# Altium PCB Lay-51943_B.brd.PcbDoc (part 2 of 8)
Units mil, origin at the board's own origin, x right, y up, seen from the top; angles counter-clockwise.
Board outline 2903.05 x 2405.84 mil, 6 copper layers (TOP, L2_GND_1, L3_INT_1, L4_PWR, L5_GND_2, BOTTOM), stack 60.244 mil thick; 568 components, 400 nets, 2143 pads, 1138 vias.
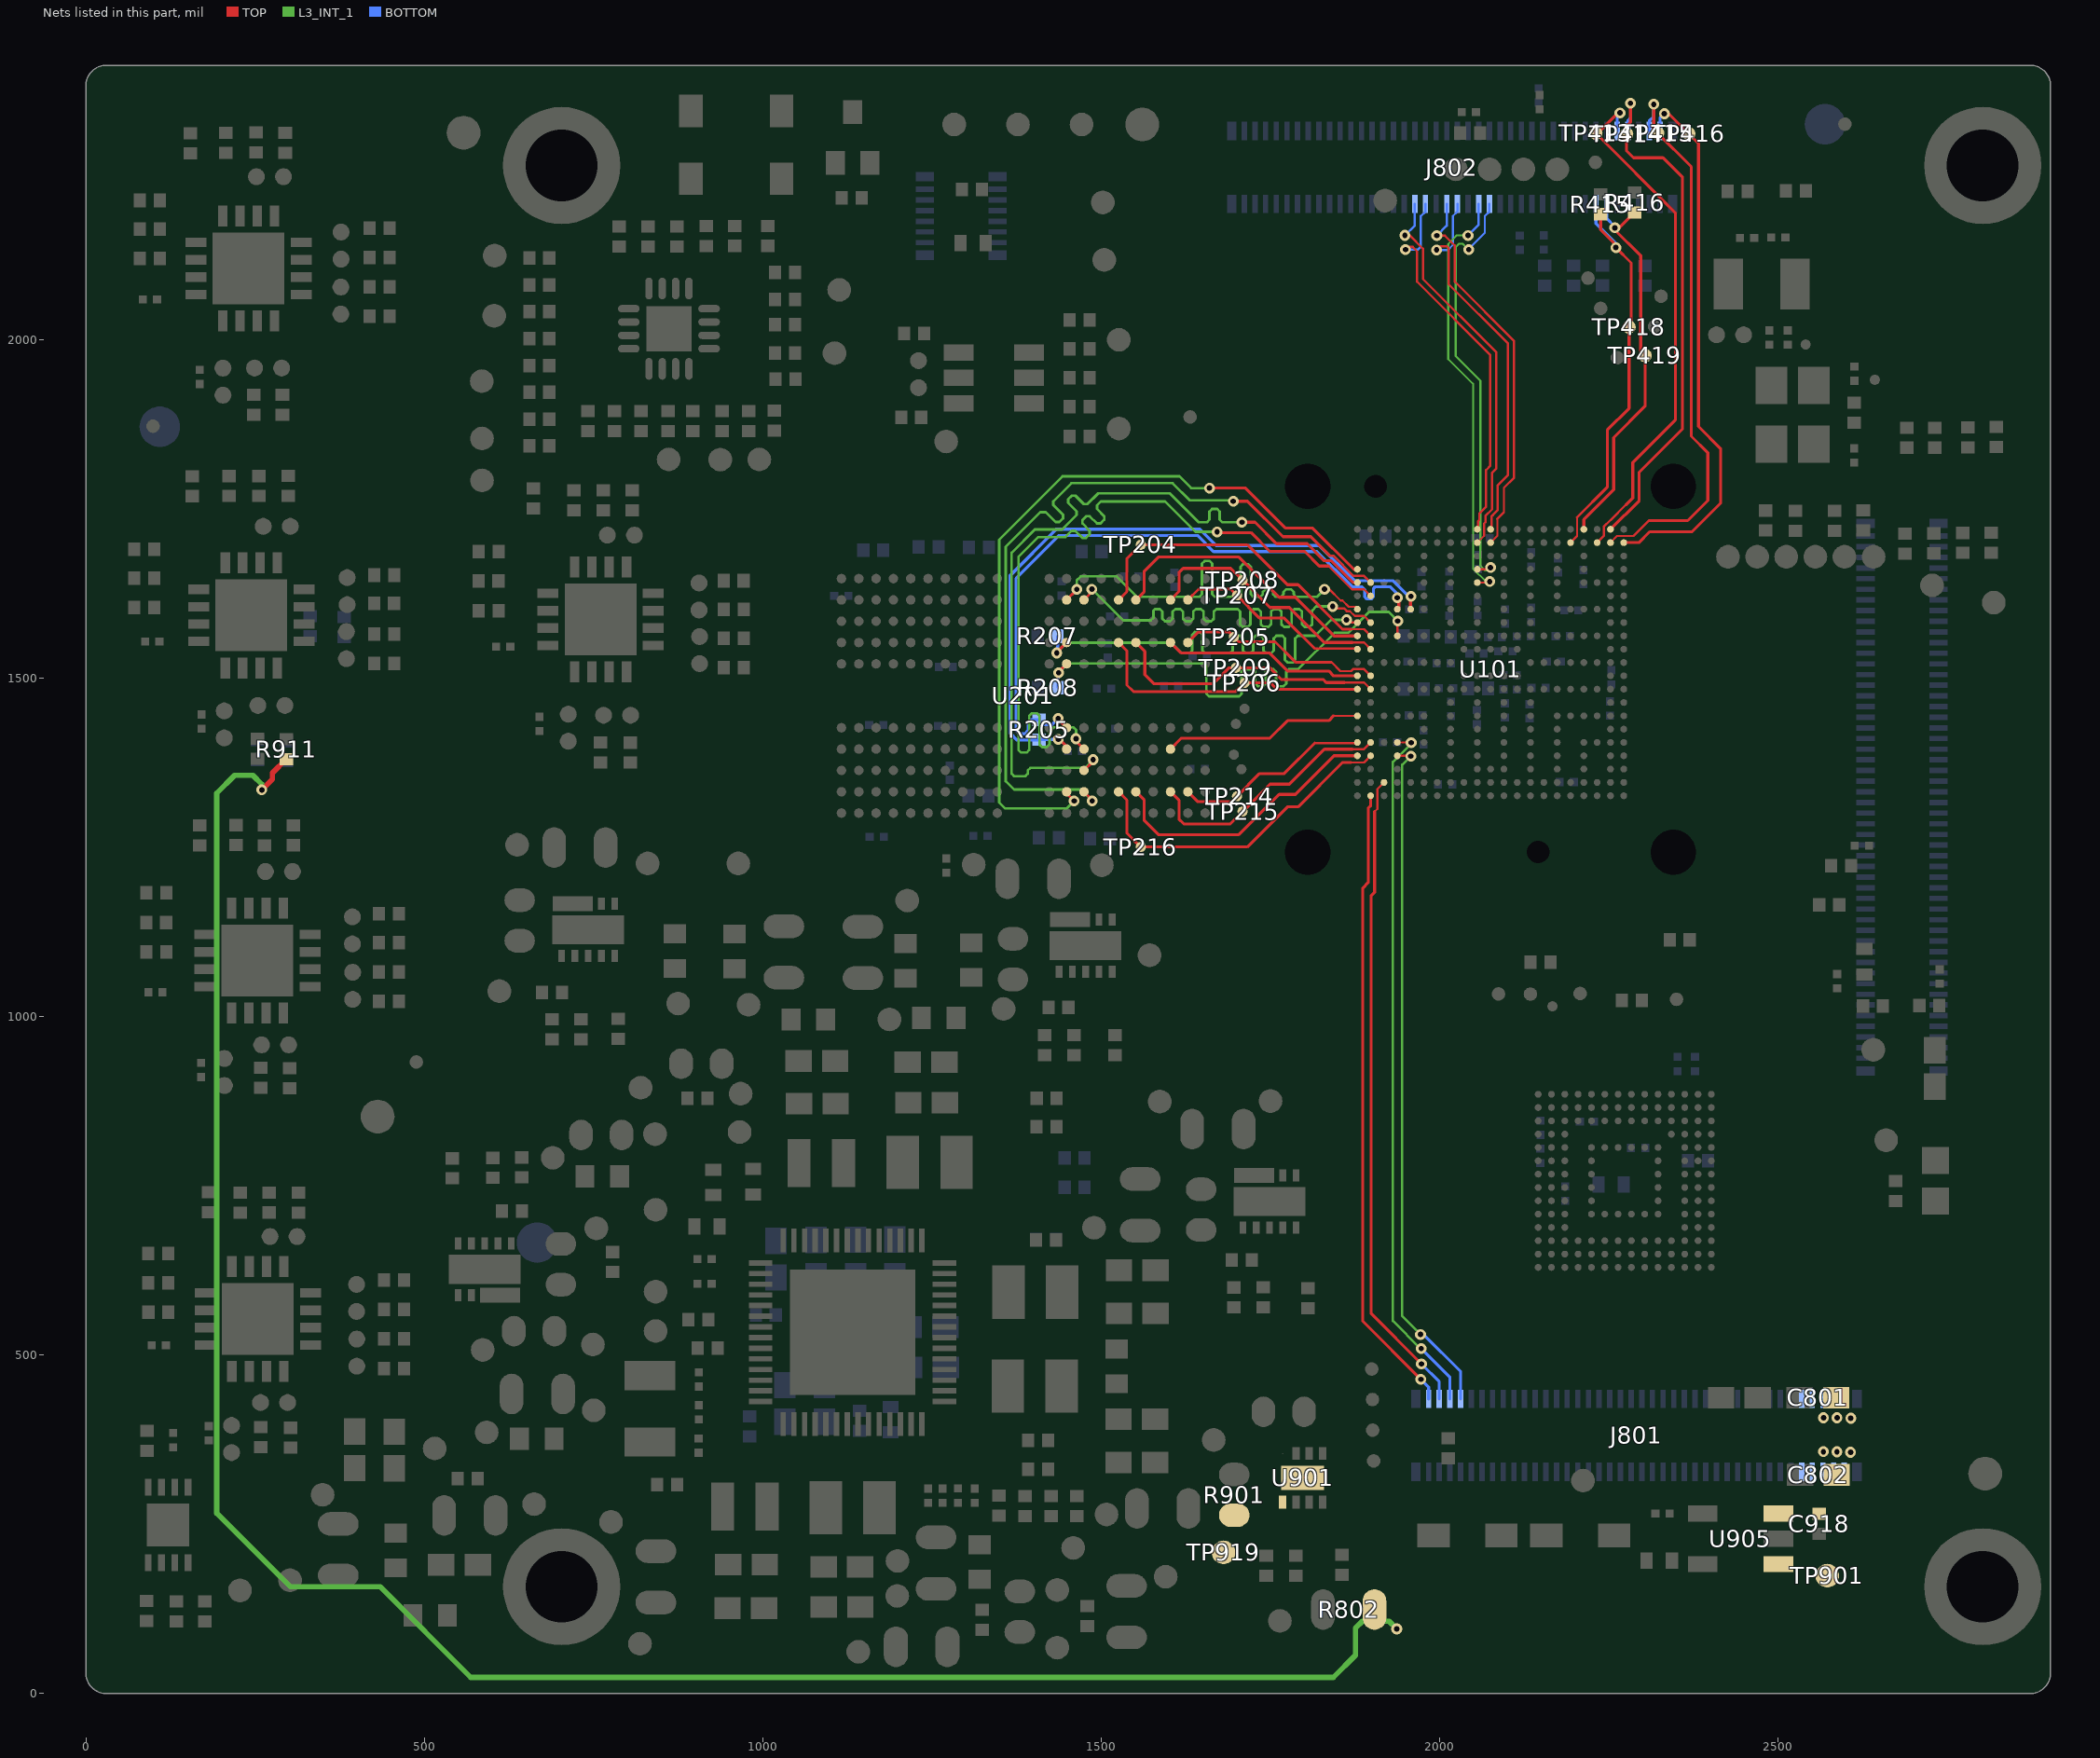
[diagram p6: the nets of this part, all layers, seen from the top]

## Footprints (in the part's own frame and the unit in brackets; to place one, negate y for a bottom-side part, rotate by r counter-clockwise, add the part's x,y. Pads: shape width x height; smd on the part's side, far side on the other; paste and mask are expansions set on the pad) (continued)
RC0402_25 [mil] "RC0402_25"
  round 25 smd: 1(-20,0) 2(20,0)
  TOP keep-out region: 5,4 5,-4 5,-6.07 2.07,-9 -2.07,-9 -5,-6.07 -5,-4 -5,-4 -5,4 -5,6.07 -2.07,9 2.07,9 5,6.07 5,4
  body extent -23,-11 23,11, height 16
RC0603_OV [mil] "RC0603_OV"
  oval 35x45 smd: 1(-30,0) 2(30,0)
  TOP keep-out region: -10,20 10,20 10,-20 -10,-20
  silkscreen extent -5,-5 5,5, body extent -33,-16 33,16, height 22
RC0805_OV [mil] "RC0805_OV"
  oval 35x60 smd: 1(-38,0) 2(38,0)
  TOP keep-out region: -20,25 20,25 20,-25 -20,-25
  silkscreen extent -10,-25 10,25, body extent -45,-27 45,27, height 30
SC70_3 [mil] "SC70_3"
  rect 28x35 smd: 1(-25.5,-37.47) 2(25.5,-37.47) 3(0,37.47)
  silkscreen extent -50,-34 50,34, body extent -41,-45 41,45, height 39
SKT_BGA306_0P5_SQ16P23_ELAST [mil] "SKT_BGA306_0P5_SQ16P23_ELAST"
  round 10 smd: A1(206.69,196.85) A2(206.69,177.17) A3(206.69,157.48) A4(206.69,137.8) A5(206.69,118.11) A6(206.69,98.43) A7(206.69,78.74) A8(206.69,59.06) A9(206.69,39.37) A10(206.69,19.69) A11(206.69,0) A12(206.69,-19.69) A13(206.69,-39.37) A14(206.69,-59.06) A15(206.69,-78.74) A16(206.69,-98.43) A17(206.69,-118.11) A18(206.69,-137.8) A19(206.69,-157.48) A20(206.69,-177.17) A21(206.69,-196.85) AA1(-187.01,196.85) AA2(-187.01,177.17) AA3(-187.01,157.48) AA4(-187.01,137.8) AA5(-187.01,118.11) AA6(-187.01,98.43) AA7(-187.01,78.74) AA8(-187.01,59.06) AA9(-187.01,39.37) AA10(-187.01,19.69) AA11(-187.01,0) AA12(-187.01,-19.69) AA13(-187.01,-39.37) AA14(-187.01,-59.06) AA15(-187.01,-78.74) AA16(-187.01,-98.43) AA17(-187.01,-118.11) AA18(-187.01,-137.8) AA19(-187.01,-157.48) AA20(-187.01,-177.17) AA21(-187.01,-196.85) B1(187.01,196.85) B2(187.01,177.17) B3(187.01,157.48) B4(187.01,137.8) B5(187.01,118.11) B6(187.01,98.43) B7(187.01,78.74) B8(187.01,59.06) B9(187.01,39.37) B10(187.01,19.69) B11(187.01,0) B12(187.01,-19.69) B13(187.01,-39.37) B14(187.01,-59.06) B15(187.01,-78.74) B16(187.01,-98.43) B17(187.01,-118.11) B18(187.01,-137.8) B19(187.01,-157.48) B20(187.01,-177.17) B21(187.01,-196.85) C1(167.32,196.85) C2(167.32,177.17) C4(167.32,137.8) C6(167.32,98.43) C8(167.32,59.06) C10(167.32,19.69) C11(167.32,0) C12(167.32,-19.69) C14(167.32,-59.06) C16(167.32,-98.43) C18(167.32,-137.8) C20(167.32,-177.17) C21(167.32,-196.85) D1(147.64,196.85) D2(147.64,177.17) D4(147.64,137.8) D6(147.64,98.43) D8(147.64,59.06) D10(147.64,19.69) D12(147.64,-19.69) D14(147.64,-59.06) D16(147.64,-98.43) D18(147.64,-137.8) D20(147.64,-177.17) D21(147.64,-196.85) E1(127.95,196.85) E2(127.95,177.17) E3(127.95,157.48) E4(127.95,137.8) E6(127.95,98.43) E8(127.95,59.06) E10(127.95,19.69) E12(127.95,-19.69) E14(127.95,-59.06) E16(127.95,-98.43) E18(127.95,-137.8) E19(127.95,-157.48) E20(127.95,-177.17) E21(127.95,-196.85) F1(108.27,196.85) F2(108.27,177.17) F6(108.27,98.43) F8(108.27,59.06) F10(108.27,19.69) F12(108.27,-19.69) F14(108.27,-59.06) F16(108.27,-98.43) F20(108.27,-177.17) F21(108.27,-196.85) G1(88.58,196.85) G2(88.58,177.17) G3(88.58,157.48) G4(88.58,137.8) G5(88.58,118.11) G6(88.58,98.43) G8(88.58,59.06) G10(88.58,19.69) G12(88.58,-19.69) G14(88.58,-59.06) G16(88.58,-98.43) G17(88.58,-118.11) G18(88.58,-137.8) G19(88.58,-157.48) G20(88.58,-177.17) G21(88.58,-196.85) H1(68.9,196.85) H2(68.9,177.17) H8(68.9,59.06) H10(68.9,19.69) H12(68.9,-19.69) H14(68.9,-59.06) H20(68.9,-177.17) H21(68.9,-196.85) J1(49.21,196.85) J2(49.21,177.17) J3(49.21,157.48) J4(49.21,137.8) J5(49.21,118.11) J6(49.21,98.43) J7(49.21,78.74) J8(49.21,59.06) J9(49.21,39.37) J10(49.21,19.69) J11(49.21,0) J12(49.21,-19.69) J13(49.21,-39.37) J14(49.21,-59.06) J15(49.21,-78.74) J16(49.21,-98.43) J17(49.21,-118.11) J18(49.21,-137.8) J19(49.21,-157.48) J20(49.21,-177.17) J21(49.21,-196.85) K1(29.53,196.85) K2(29.53,177.17) K9(29.53,39.37) K10(29.53,19.69) K11(29.53,0) K12(29.53,-19.69) K13(29.53,-39.37) K20(29.53,-177.17) K21(29.53,-196.85) L1(9.84,196.85) L2(9.84,177.17) L3(9.84,157.48) L4(9.84,137.8) L5(9.84,118.11) L6(9.84,98.43) L7(9.84,78.74) L8(9.84,59.06) L14(9.84,-59.06) L15(9.84,-78.74) L16(9.84,-98.43) L17(9.84,-118.11) L18(9.84,-137.8) L19(9.84,-157.48) L20(9.84,-177.17) L21(9.84,-196.85) M1(-9.84,196.85) M2(-9.84,177.17) M9(-9.84,39.37) M10(-9.84,19.69) M11(-9.84,0) M12(-9.84,-19.69) M13(-9.84,-39.37) M20(-9.84,-177.17) M21(-9.84,-196.85) N1(-29.53,196.85) N2(-29.53,177.17) N3(-29.53,157.48) N4(-29.53,137.8) N5(-29.53,118.11) N6(-29.53,98.43) N7(-29.53,78.74) N8(-29.53,59.06) N9(-29.53,39.37) N10(-29.53,19.69) N11(-29.53,0) N12(-29.53,-19.69) N13(-29.53,-39.37) N14(-29.53,-59.06) N15(-29.53,-78.74) N16(-29.53,-98.43) N17(-29.53,-118.11) N18(-29.53,-137.8) N19(-29.53,-157.48) N20(-29.53,-177.17) N21(-29.53,-196.85) P1(-49.21,196.85) P2(-49.21,177.17) P8(-49.21,59.06) P10(-49.21,19.69) P12(-49.21,-19.69) P14(-49.21,-59.06) P20(-49.21,-177.17) P21(-49.21,-196.85) R1(-68.9,196.85) R2(-68.9,177.17) R3(-68.9,157.48) R4(-68.9,137.8) R5(-68.9,118.11) R6(-68.9,98.43) R8(-68.9,59.06) R10(-68.9,19.69) R12(-68.9,-19.69) R14(-68.9,-59.06) R16(-68.9,-98.43) R17(-68.9,-118.11) R18(-68.9,-137.8) R19(-68.9,-157.48) R20(-68.9,-177.17) R21(-68.9,-196.85) T1(-88.58,196.85) T2(-88.58,177.17) T6(-88.58,98.43) T8(-88.58,59.06) T10(-88.58,19.69) T12(-88.58,-19.69) T14(-88.58,-59.06) T16(-88.58,-98.43) T20(-88.58,-177.17) T21(-88.58,-196.85) U1(-108.27,196.85) U2(-108.27,177.17) U3(-108.27,157.48) U4(-108.27,137.8) U6(-108.27,98.43) U8(-108.27,59.06) U10(-108.27,19.69) U12(-108.27,-19.69) U14(-108.27,-59.06) U16(-108.27,-98.43) U18(-108.27,-137.8) U19(-108.27,-157.48) U20(-108.27,-177.17) U21(-108.27,-196.85) V1(-127.95,196.85) V2(-127.95,177.17) V4(-127.95,137.8) V6(-127.95,98.43) V8(-127.95,59.06) V10(-127.95,19.69) V12(-127.95,-19.69) V14(-127.95,-59.06) V16(-127.95,-98.43) V18(-127.95,-137.8) V20(-127.95,-177.17) V21(-127.95,-196.85) W1(-147.64,196.85) W2(-147.64,177.17) W4(-147.64,137.8) W6(-147.64,98.43) W8(-147.64,59.06) W10(-147.64,19.69) W11(-147.64,0) W12(-147.64,-19.69) W14(-147.64,-59.06) W16(-147.64,-98.43) W18(-147.64,-137.8) W20(-147.64,-177.17) W21(-147.64,-196.85) Y1(-167.32,196.85) Y2(-167.32,177.17) Y3(-167.32,157.48) Y4(-167.32,137.8) Y5(-167.32,118.11) Y6(-167.32,98.43) Y7(-167.32,78.74) Y8(-167.32,59.06) Y9(-167.32,39.37) Y10(-167.32,19.69) Y11(-167.32,0) Y12(-167.32,-19.69) Y13(-167.32,-39.37) Y14(-167.32,-59.06) Y15(-167.32,-78.74) Y16(-167.32,-98.43) Y17(-167.32,-118.11) Y18(-167.32,-137.8) Y19(-167.32,-157.48) Y20(-167.32,-177.17) Y21(-167.32,-196.85)
  round 0 hole 66.9 unplated: ""(-270.18,-270.2) ""(-270.18,270.2) ""(270.18,-270.2) ""(270.18,270.2)
  round 0 hole 33.4 unplated: ""(-270.18,-70.18) ""(270.18,170.18)
  BOTTOM keep-out region: -270.18,236.44 -261.44,237.59 -253.3,240.96 -246.31,246.33 -240.94,253.32 -237.57,261.46 -236.42,270.2 -237.57,278.93 -240.94,287.07 -240.94,287.07 -246.31,294.07 -253.3,299.43 -261.44,302.8 -270.18,303.95 -278.91,302.8 -287.06,299.43 -294.05,294.07 -299.41,287.07 -299.41,287.07 -302.78,278.93 -303.93,270.2 -302.78,261.46 -299.41,253.32 -294.05,246.33 -287.06,240.96 -278.91,237.59 -270.18,236.44
  BOTTOM keep-out region: -270.18,202.95 -257.06,204.24 -244.44,208.07 -232.81,214.28 -222.62,222.64 -214.26,232.83 -208.05,244.46 -204.22,257.08 -202.93,270.2 -204.22,283.32 -208.05,295.93 -212.19,303.68 -212.19,303.68 -214.26,307.56 -222.62,317.75 -232.81,326.11 -244.44,332.33 -257.06,336.16 -270.18,337.45 -283.3,336.16 -295.91,332.33 -307.54,326.11 -317.73,317.75 -326.09,307.56 -328.17,303.68 -328.17,303.68 -332.31,295.93 -336.14,283.32 -337.43,270.2 -336.14,257.08 -332.31,244.46 -326.09,232.83 -317.73,222.64 -307.54,214.28 -295.91,208.07 -283.3,204.24 -270.18,202.95
  BOTTOM keep-out region: 270.18,202.94 283.3,204.23 295.92,208.06 307.55,214.27 317.74,222.64 326.1,232.83 332.32,244.46 336.15,257.07 337.44,270.2 336.15,283.32 332.32,295.94 328.18,303.68 328.18,303.68 326.1,307.56 317.74,317.76 307.55,326.12 295.92,332.34 283.3,336.17 270.18,337.46 257.06,336.17 244.44,332.34 232.81,326.12 222.62,317.76 214.25,307.56 212.18,303.68 212.18,303.68 208.04,295.94 204.21,283.32 202.92,270.2 204.21,257.07 208.04,244.46 214.25,232.83 222.62,222.64 232.81,214.27 244.44,208.06 257.06,204.23 270.18,202.94
  BOTTOM keep-out region: 270.18,236.44 278.91,237.59 287.06,240.96 294.05,246.33 299.41,253.32 302.78,261.46 303.93,270.2 302.78,278.93 299.41,287.07 299.41,287.07 294.05,294.07 287.06,299.43 278.91,302.8 270.18,303.95 261.44,302.8 253.3,299.43 246.31,294.07 240.94,287.07 240.94,287.07 237.57,278.93 236.42,270.2 237.57,261.46 240.94,253.32 246.31,246.33 253.3,240.96 261.44,237.59 270.18,236.44
  BOTTOM keep-out region: 270.18,-337.45 283.3,-336.16 295.92,-332.33 307.54,-326.12 317.74,-317.75 326.1,-307.56 332.31,-295.93 336.14,-283.32 337.43,-270.2 336.14,-257.08 332.31,-244.46 328.17,-236.71 328.17,-236.71 326.1,-232.83 317.74,-222.64 307.54,-214.27 295.92,-208.06 283.3,-204.23 270.18,-202.94 257.06,-204.23 244.44,-208.06 232.81,-214.27 222.62,-222.64 214.25,-232.83 212.18,-236.71 212.18,-236.71 208.04,-244.46 204.21,-257.08 202.92,-270.2 204.21,-283.32 208.04,-295.93 214.25,-307.56 222.62,-317.75 232.81,-326.12 244.44,-332.33 257.06,-336.16 270.18,-337.45
  BOTTOM keep-out region: 270.18,-303.95 278.91,-302.8 287.05,-299.43 294.04,-294.06 299.41,-287.07 302.78,-278.93 303.93,-270.2 302.78,-261.46 299.41,-253.32 299.41,-253.32 294.04,-246.33 287.05,-240.97 278.91,-237.59 270.18,-236.44 261.44,-237.59 253.3,-240.97 246.31,-246.33 240.95,-253.32 240.95,-253.32 237.58,-261.46 236.43,-270.2 237.58,-278.93 240.95,-287.07 246.31,-294.06 253.3,-299.43 261.44,-302.8 270.18,-303.95
  BOTTOM keep-out region: -270.18,-337.44 -257.06,-336.15 -244.44,-332.32 -232.82,-326.11 -222.63,-317.75 -214.26,-307.56 -208.05,-295.93 -204.22,-283.32 -202.93,-270.2 -204.22,-257.08 -208.05,-244.46 -212.19,-236.72 -212.19,-236.72 -214.26,-232.84 -222.63,-222.65 -232.82,-214.28 -244.44,-208.07 -257.06,-204.24 -270.18,-202.95 -283.3,-204.24 -295.91,-208.07 -307.54,-214.28 -317.73,-222.65 -326.09,-232.84 -328.17,-236.72 -328.17,-236.72 -332.31,-244.46 -336.13,-257.08 -337.42,-270.2 -336.13,-283.32 -332.31,-295.93 -326.09,-307.56 -317.73,-317.75 -307.54,-326.11 -295.91,-332.32 -283.3,-336.15 -270.18,-337.44
  BOTTOM keep-out region: -270.18,-303.95 -261.44,-302.8 -253.3,-299.43 -246.31,-294.06 -240.95,-287.07 -237.58,-278.93 -236.43,-270.2 -237.58,-261.46 -240.95,-253.32 -240.95,-253.32 -246.31,-246.33 -253.3,-240.97 -261.44,-237.59 -270.18,-236.44 -278.91,-237.59 -287.05,-240.97 -294.04,-246.33 -299.41,-253.32 -299.41,-253.32 -302.78,-261.46 -303.93,-270.2 -302.78,-278.93 -299.41,-287.07 -294.04,-294.06 -287.05,-299.43 -278.91,-302.8 -270.18,-303.95
  BOTTOM keep-out region: -270.18,-87.24 -263.65,-85.94 -258.11,-82.24 -254.42,-76.71 -253.12,-70.18 -254.42,-63.65 -255.66,-61.79 -255.66,-61.79 -258.11,-58.11 -263.65,-54.42 -270.18,-53.12 -276.71,-54.42 -282.24,-58.11 -284.7,-61.79 -284.7,-61.79 -285.94,-63.65 -287.24,-70.18 -285.94,-76.71 -282.24,-82.24 -276.71,-85.94 -270.18,-87.24
  BOTTOM keep-out region: 270.18,153.11 276.71,154.41 282.24,158.11 285.94,163.65 287.24,170.18 285.94,176.71 284.7,178.56 284.7,178.56 282.24,182.24 276.71,185.94 270.18,187.24 263.65,185.94 258.11,182.24 255.65,178.56 255.65,178.56 254.41,176.71 253.11,170.18 254.41,163.65 258.11,158.11 263.65,154.41 270.18,153.11
  Keep-Out Layer region: 270.18,-319.08 282.83,-317.41 294.62,-312.53 304.74,-304.76 312.51,-294.64 317.39,-282.85 319.06,-270.2 317.39,-257.55 312.51,-245.76 312.51,-245.76 304.74,-235.63 294.62,-227.86 282.83,-222.98 270.18,-221.32 257.53,-222.98 245.74,-227.86 235.61,-235.63 227.84,-245.76 227.84,-245.76 222.96,-257.55 221.3,-270.2 222.96,-282.85 227.84,-294.64 235.61,-304.76 245.74,-312.53 257.53,-317.41 270.18,-319.08
  Keep-Out Layer region: -270.18,-319.08 -257.53,-317.41 -245.74,-312.53 -235.61,-304.76 -227.84,-294.64 -222.96,-282.85 -221.3,-270.2 -222.96,-257.55 -227.84,-245.76 -227.84,-245.76 -235.61,-235.63 -245.74,-227.86 -257.53,-222.98 -270.18,-221.32 -282.83,-222.98 -294.62,-227.86 -304.74,-235.63 -312.51,-245.76 -312.51,-245.76 -317.39,-257.55 -319.06,-270.2 -317.39,-282.85 -312.51,-294.64 -304.74,-304.76 -294.62,-312.53 -282.83,-317.41 -270.18,-319.08
  Keep-Out Layer region: -270.18,-102.18 -261.89,-101.09 -254.17,-97.9 -247.55,-92.81 -242.46,-86.18 -239.26,-78.46 -238.17,-70.18 -239.26,-61.89 -242.46,-54.17 -242.46,-54.17 -247.55,-47.55 -254.17,-42.46 -261.89,-39.26 -270.18,-38.17 -278.46,-39.26 -286.18,-42.46 -292.81,-47.55 -297.9,-54.17 -297.9,-54.17 -301.09,-61.89 -302.18,-70.18 -301.09,-78.46 -297.9,-86.18 -292.81,-92.81 -286.18,-97.9 -278.46,-101.09 -270.18,-102.18
  Keep-Out Layer region: -270.18,221.31 -257.52,222.98 -245.73,227.86 -235.61,235.63 -227.84,245.75 -222.96,257.54 -221.29,270.2 -222.96,282.85 -227.84,294.64 -227.84,294.64 -235.61,304.76 -245.73,312.53 -257.52,317.42 -270.18,319.08 -282.83,317.42 -294.62,312.53 -304.74,304.76 -312.51,294.64 -312.51,294.64 -317.4,282.85 -319.06,270.2 -317.4,257.54 -312.51,245.75 -304.74,235.63 -294.62,227.86 -282.83,222.98 -270.18,221.31
  Keep-Out Layer region: 295,228.57 300.45,231.82 309.31,240.91 315.53,251.97 318.69,264.26 318.59,276.95 315.21,289.19 308.81,300.14 299.79,309.08 288.78,315.4 276.52,318.66 263.83,318.66 251.57,315.4 240.56,309.08 231.54,300.14 225.14,289.19 221.76,276.95 221.66,264.26 224.82,251.97 231.04,240.91 239.9,231.82 245.35,228.57 245.35,228.57
  Keep-Out Layer region: 291.31,146.5 294.02,148.92 298.21,154.85 300.94,161.58 302.09,168.75 301.59,176 299.46,182.94 295.82,189.23 290.86,194.53 287.84,196.55 287.84,196.55 252.52,196.55 248.67,193.97 242.77,186.84 239.16,178.32 238.12,169.13 238.94,164.57 238.94,164.57 257.01,146.5
  silkscreen extent -329,-329 329,329, body extent -207,-217 226,217, height 48
SOD323 [mil] "SOD323"
  rect 35x48 smd: A(0,50) C(0,-50)
  silkscreen extent -34,-46 103,44, body extent -27,-51 27,51, height 43
SOT23-5 [mil] "SOT23-5"
  rect 24x44 smd: 1(-37.4,-56.1) 2(0,-56.1) 3(37.4,-56.1) 4(37.4,56.1) 5(-37.4,56.1)
  silkscreen extent -69,-41 69,41, body extent -59,-55 59,55, height 46
SOT23-6 [mil] "SOT23-6"
  rect 24x44 smd: 1(-37.4,-52) 2(0,-52) 3(37.4,-52) 4(37.4,52) 5(0,52) 6(-37.4,52)
  silkscreen extent -67,-41 67,41, body extent -59,-59 59,59, height 51
TESTPOINT_35MIL [mil] "TESTPOINT_35MIL"
  round 35 smd paste-99999: 1(0,0)
  body extent -18,-18 18,18, height 150
TPAD_015 [mil] "TPAD_015"
  round 15 smd paste-99999: 1(0,0)
TPAD_020 [mil] "TPAD_020"
  round 20 smd paste-99999: 1(0,0)
  silkscreen extent -17,-17 17,17, body extent -13,-13 13,13, height 150
TPAD_050 [mil] "TPAD_050"
  round 50 smd paste-99999: 1(0,0)
WSON10_0P5_2P1X3P1 [mil] "WSON10_0P5_2P1X3P1"
  rect 18x10 smd: 1(-39.39,39.37) 2(-39.39,19.69) 3(-39.39,0) 4(-39.39,-19.69) 5(-39.39,-39.37) 6(37.39,-39.37) 7(37.39,-19.69)
  rect 22x59 smd paste-99999 mask+4: 10(37.39,22.83)
  rect 43x106 smd paste-99999 mask+4: 11(-1,0)
  silkscreen extent -49,-68 47,68, body extent -39,-59 39,59, height 31
XTAL2-3P2X1P5-SM [mil] "XTAL2-3P2X1P5-SM"
  rect 43x75 smd: 1(-49.21,0.02) 2(49.21,0.02)
  silkscreen extent -82,-48 82,48, body extent -63,-30 63,30, height 35
XTLOSC4_3P2X2P5MM_SM [mil] "XTLOSC4_3P2X2P5MM_SM"
  rect 55x47 smd: 1(-43.29,-31.5) 2(43.33,-31.5) 3(43.33,31.5) 4(-43.29,31.5)
  silkscreen extent -78,-62 78,62, body extent -63,-49 63,49, height 28

## Part data
BH801 BH802 BH803 BH804: library part MOUNT_HOLE, "MOUNTING HOLE PLATED DRILL 2.7MM KEEPOUT R2.9MM TH, NO PART TO ORDER", AGILE_PN=280-76791, CAD_APPROVED=Yes, CLASS=IC, Height=0.1MM, MFG_NAME01=NOTACOMPONENT, MFG_PN01=NOTACOMPONENT, PCB Footprint=mh188-106t, RoHS=Yes
C101 C106 C107 C109 C110 C111 C114 C116 C117 C118 C119 C129 C130 C131 C132 C134 C135 C137 C138 C139 C140 C141 C144 C145 C146 C147 C148 C149 C152 C153 C154 C155 C156 C203 C204 C205 C208 C209 C210 C211 C212 C213 C214 C216 C217 C218 C219 C220 C221 C222 C509 C727 C728 C804 C806 C808 C809: library part CAP_NP, "CAP CER 1.0uF 10V 10% X5R 0201", Package Size="0201 (0603 Metric)", Package Type=SMD/SMT, Temp Range="-55¡ãC to 85¡ãC", Tolerance=10%, Voltage=10V, AGILE_PN=150-81088, CAD_APPROVED=Yes, CLASS=DISCRETE, FPLIST=CC0201,CC0201_HD,0201_CC,cc_0201_cir, Height=0.35MM, MFG_NAME01="SAMSUNG ELECTRO MECHANICS", MFG_PN01=CL03A105KP3NSNC, PCB Footprint=0201_CC, RoHS=Yes
C102 C502 C503 C505 C506 C507 C508 C919 C944: library part CAP_NP, "CAP CER 0.22UF 10V 20% X5R 0201", Tolerance=20%, Voltage=10V, AGILE_PN=150-78815, CAD_APPROVED=Yes, CLASS=DISCRETE, Height=0.33MM, MFG_NAME01="Taiyo Yuden", MFG_PN01=LMK063BJ224MP-F, PCB Footprint=0201_CC, RoHS=Yes
  C102 C502 C503 C505 C506 C507 C508 C919: FPLIST=CC0201,CC0201_HD,0201_CC
  C944: FPLIST=CC0201,CC0201_HD,0201_CC,0201_CC_012SM_NSP
C108 C124 C136 C151 C201 C202 C206 C207 C215 C504: library part CAP_NP, "CAP CER 10UF 6.3V 20% X5R 0402", Tolerance=20%, Voltage=6.3V, AGILE_PN=150-79163, CAD_APPROVED=Yes, CLASS=DISCRETE, FPLIST=CC0402_25,CC0402_HD,0402_CC, Height="0.65 MM", MFG_NAME01="SAMSUNG ELECTRO MECHANICS", MFG_PN01=CL05A106MQ5NUNC, PCB Footprint=0402_CC, RoHS=Yes
C142 C143 C703 C705 C707 C708 C710 C711 C714 C715 C719 C720 C722 C723 C803 C805: library part CAP_NP, "CAP CER 22uF 10V 20% X5R 0603", Package Size=0603, Tolerance=20%, Voltage=10V, AGILE_PN=150-79530, CAD_APPROVED=Yes, CLASS=DISCRETE, FPLIST=CC0603_OV,CC0603,0603_cc_tol, Height=1MM, MFG_NAME01=TDK, MFG_PN01=C1608X5R1A226M080AC, PCB Footprint=CC0603, RoHS=Yes, SIGNAL_MODEL=DEFAULT_CAPACITOR_2.2e+07pF_2_1, WVDC=6.3V
  C705 C708 C711 C720 C723: ASSY_OPT=DNP
C401 C402 C716 C717: library part CAP_NP, "CAP CER 18pF 50V 5% C0G 0201", Package Size=0201, Package Type="&#966;180mm Paper taping", Tolerance=5%, Voltage=50V, AGILE_PN=150-79476, CAD_APPROVED=Yes, CLASS=DISCRETE, FPLIST=CC0201,CC0201_HD,0201_CC, Height=0.33MM, MFG_NAME01=MURATA, MFG_PN01=GRM0335C1H180JA01D, PCB Footprint=0201_CC, RoHS=Yes
C403 C404: library part CAP_NP, "CAP CER 12PF 25V 5% C0G AEC-Q200 0201", Tolerance=5%, Voltage=25V, AGILE_PN=150-79813, CAD_APPROVED=Yes, CLASS=DISCRETE, FPLIST=CC0201,CC0201_HD,0201_CC, Height=0.33MM, MFG_NAME01=TDK, MFG_PN01=CGA1A2C0G1E120J030BA, PCB Footprint=0201_CC, RoHS=Yes
C405 C904 C906 C912 C913 C916 C923 C926 C929 C931 C935 C937 C942 C947: library part CAP_NP, "CAP CER 0.1UF 25V 10% X5R 0402", Package Size=0402, Tolerance=10%, Voltage=25V, AGILE_PN=150-78633, CAD_APPROVED=Yes, CLASS=DISCRETE, FPLIST=CC0402_25,CC0402_HD,0402_CC, Height=0.55MM, MFG_NAME01="YAGEO AMERICA", MFG_PN01=CC0402KRX5R8BB104, PCB Footprint=0402_CC, RoHS=Yes
  C405: ASSY_OPT=DNP
C501 C725 C729 C730 C731 C807 C914: library part CAP_NP, "CAP CER 4.7uF 10V 10% X5R 0402", Tolerance=10%, Voltage=10V, 3D_Mechanical_Footprint_File=cc0402_tol0p15, AGILE_PN=150-80044, CAD_APPROVED=Yes, CLASS=DISCRETE, FPLIST=cc0402_tol0p15,cc0402_tol0p15_ov,0402_cc_nsp, Height=0.65MM, MFG_NAME01="SAMSUNG ELECTRO MECHANICS", MFG_PN01=CL05A475KP5NRNC, PCB Footprint=cc0402_tol0p15, RoHS=Yes
C701 C702 C709 C712 C713 C718 C721 C726 C801 C802: library part CAP_NP, "CAP CER 10.0uF 16V 10% X5R 0603", Package Size=0603, Package Type=SMT, Temp Range="-55¡ãC to +85¡ãC", Tolerance=10%, Voltage=16V, AGILE_PN=150-80060, CAD_APPROVED=Yes, CLASS=DISCRETE, FPLIST=CC0603_OV,CC0603,0603_CC,cc0603_0805_nsp, Height=0.9MM, MFG_NAME01=MURATA, MFG_PN01=GRM188R61C106KAALD, PCB Footprint=CC0603, RoHS=Yes, Temp_Range="-55¡ãC to +85¡ãC"
C704 C706 C724 C918: library part CAP_NP, "CAP CER 1uF 16V 10% X5R 0402", Tolerance=10%, Voltage=16V, AGILE_PN=150-78973, CAD_APPROVED=Yes, CLASS=DISCRETE, Height="0.55 MM", MFG_NAME01=YAGEO, MFG_PN01=CC0402KRX5R7BB105, PCB Footprint=0402_CC, RoHS=Yes
  C704 C706 C724: FPLIST=CC0402_25,CC0402_HD,0402_CC,capc0402_l
  C918: FPLIST=CC0402_25,CC0402_HD,0402_CC
C901 C903 C909 C911 C922 C925 C928 C930 C934 C938 C943 C946: library part CAP_NP, "CAP CER 1.0UF 10V 10% X5R 0402", Package Size=0402, Voltage=10V, AGILE_PN=150-75772, CAD_APPROVED=Yes, CLASS=DISCRETE, FPLIST=CC0402_25,CC0402_HD,0402_CC, Height=0.6MM, MFG_NAME01="YAGEO AMERICA", MFG_PN01=CC0402KRX5R6BB105, PCB Footprint=0402_CC, RoHS=Yes, SIGNAL_MODEL=DEFAULT_CAPACITOR_1e+06pF_2_1, TOL=10%, Voltage Rating=10V
C902 C905 C907 C908 C910 C917 C920 C921 C924 C927 C932 C933 C936 C939 C940 C941 C945 C948 C949 C950: library part CAP_NP, "CAP CER 0.01uF 25V 5% X7R 0402", Package Size="0402 (1005 Metric)", Package Type="Surface Mount, MLCC", Rated Voltage=25V, Temp Range="-55¡ãC - 125¡ãC", Tolerance=5%, AGILE_PN=150-81047, ASSY_OPT=DNP, CAD_APPROVED=Yes, CLASS=DISCRETE, FPLIST=CC0402_25,CC0402_HD,0402_CC,capc0402_l, Height="0.55 MM", MFG_NAME01="YAGEO Corporation", MFG_PN01=CC0402JRX7R8BB103, PCB Footprint=CC0402_25, RoHS=Yes
C915: library part CAP_NP, "CAP CER 4.7uF 10V 10% X5R 0402", Tolerance=10%, Voltage=10V, Voltage Rating=6.3V, 3D_Mechanical_Footprint_File=cc0402_tol0p15, AGILE_PN=150-80044, CAD_APPROVED=Yes, CLASS=DISCRETE, FPLIST=cc0402_tol0p15,cc0402_tol0p15_ov,0402_cc_nsp, Height=0.65MM, MFG_NAME01="SAMSUNG ELECTRO MECHANICS", MFG_PN01=CL05A475KP5NRNC, PCB Footprint=cc0402_tol0p15, RoHS=Yes
C951 C952 C953 C954: library part CAP_NP, "CAP CER 220PF 50V 5% C0G 0402", Package Size=0402, Rated Voltage=50V, Temp Range="-55C to +125C", Tolerance=5%, AGILE_PN=150-30297, ASSY_OPT=DNP, CAD_APPROVED=Yes, CLASS=DISCRETE, FPLIST=CC0402_25,CC0402_HD,0402_CC,capc0402_l, Height=0.55MM, MFG_NAME01=KEMET, MFG_PN01=C0402C221J5GAC, PCB Footprint=0402_CC, RoHS=Yes
D601: library part LED, "LED GRN SGL 25MA SMT 0603", Voltage=2V, AGILE_PN=370-76672, CAD_APPROVED=Yes, CLASS=IC, Height="0.8 MM", MFG_NAME01=DIALIGHT, MFG_PN01=598-8070-107F, PCB Footprint=LED_0603, RoHS=Yes
D901 D902 D903 D904: library part DIODE_SCHTKY, "DIODE SCH SW 1A 20V AEC-Q101 SOD323", Rated Voltage=20V, Temp Range="-65¡ãC to 150¡ãC", AGILE_PN=480-80156, CAD_APPROVED=Yes, CLASS=IC, Height=0.8MM, MFG_NAME01=NEXPERIA, MFG_PN01=PMEG2010EJ,115, PCB Footprint=sod323, Voltage=20V
J801 J802: library part CON_2X40_A, "CON 2X40 PLUG SHRD SMT 0.4MM SP 51H AU", 3D_Mechanical_Footprint_File=ftp://fcl.am.freescale.net/ALLEGRO/step/con80_0p4_17p7x2p05_sm.step, AGILE_PN=211-80176, CAD_APPROVED=Yes, CLASS=IO, Height=1.29MM, MFG_NAME01=HIROSE, MFG_PN01=DF40C-80DP-0.4V(51), PCB Footprint=con80_0p4_17p7x2p05_sm, RoHS=Yes
J803: library part HDR_2X50_M_A, "CON 2X50 PLUG SHRD SMT 0.4MM SP 51H AU", Temp Range="-35 to 85 &#8451;", 3D_Mechanical_Footprint_File=ftp://fcl.am.freescale.net/ALLEGRO/step/con100_0p4_21p7x2p05_sm.step, AGILE_PN=211-80305, CAD_APPROVED=Yes, CLASS=IO, Height=1.29MM, MFG_NAME01=HIROSE, MFG_PN01=DF40C-100DP-0.4V(51), PCB Footprint=con100_0p4_21p7x2p05_sm, RoHS=Yes
J901: library part CONN_HDR_6X2_A, "CON 2X6 PLUG SHRD SMT 0.4MM SP 51H AU", Contact Voltage="30 V", Package Type=Solder, 3D_Mechanical_Footprint_File=ftp://fcl.am.freescale.net/ALLEGRO/step/con12_0p4_4p12x2p05_sm.step, AGILE_PN=211-81502, CLASS=IO, MFG_NAME01="Hirose Connector", MFG_PN01=DF40C-12DP-0.4V(51), PCB Footprint=con12_0p4_4p12x2p05_sm